# Altium PCB Неудачная разводка ddr.PcbDoc (part 1 of 3) (continued)
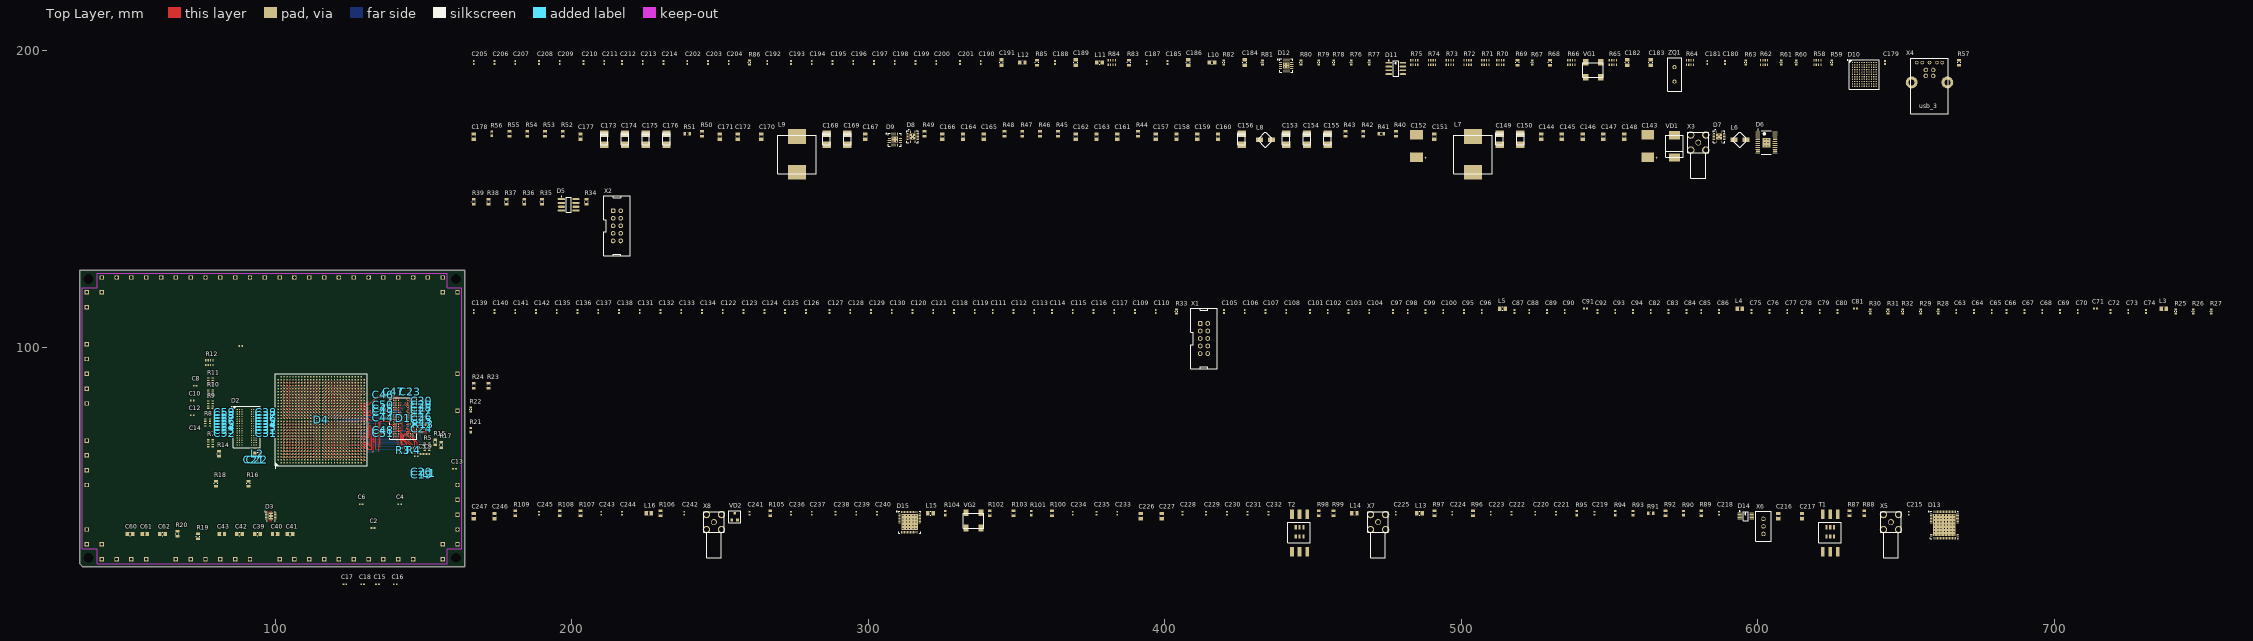
[diagram p0: Top Layer view]
## Classes and differential pairs (continued)
differential pair class ck: D_DDR0_CK D_DDR1_CK
differential pair class dqs: D_DDR0_DQS0 D_DDR0_DQS1 D_DDR1_DQS0 D_DDR1_DQS1
component class as14120_x31_adc: C215 C216 C217 C218 C219 C220 C221 C222 C223 C224 C225 C226 C227 C228 C229 C230 C231 C232 C233 C234 C235 C236 C237 C238 C239 C240 C241 C242 C243 C244 C245 C246 C247 D13 D14 D15 L13 L14 L15 L16 R87 R88 R89 R90 R91 R92 R93 R94 R95 R96 R97 R98 R99 R100 R101 R102 R103 R104 R105 R106 R107 R108 R109 T1 T2 VD2 VG2 X5 X6 X7 X8
component class as14120_x31_ddr: C1 C2 C3 C4 C5 C6 C7 C8 C9 C10 C11 C12 C13 C14 C15 C16 C17 C18 C19 C20 C21 C22 C23 C25 C26 C27 C28 C29 C30 C31 C32 C33 C34 C35 C36 C37 C38 C39 C40 C41 C42 C43 C44 C45 C46 C47 C48 C49 C50 C51 C52 C53 C54 C55 C56 C57 C58 C59 C60 C61 C62 D1 D2 D3 L1 L2 R1 R2 R3 R4 R5 R6 R7 R8 R9 R10 R11 R12 R13 R14 R15 R16 R17 R18 R19 R20
component class as14120_x31_fpga_adc: R21
component class as14120_x31_fpga_cypress: R22
component class as14120_x31_fpga_ddr: R23 R24
component class as14120_x31_fpga_power_conf: C63 C64 C65 C66 C67 C68 C69 C70 C71 C72 C73 C74 C75 C76 C77 C78 C79 C80 C81 C82 C83 C84 C85 C86 C87 C88 C89 C90 C91 C92 C93 C94 C95 C96 C97 C98 C99 C100 C101 C102 C103 C104 C105 C106 C107 C108 C109 C110 C111 C112 C113 C114 C115 C116 C117 C118 C119 C120 C121 C122 C123 C124 C125 C126 C127 C128 C129 C130 C131 C132 C133 C134 C135 C136 C137 C138 C139 C140 C141 C142 L3 L4 L5 R25 R26 R27 R28 R29 R30 R31 R32 R33 X1
component class as14120_x31_fpga_ttl: D4 D5 R34 R35 R36 R37 R38 R39 X2
component class as14120_x31_power: C143 C144 C145 C146 C147 C148 C149 C150 C151 C152 C153 C154 C155 C156 C157 C158 C159 C160 C161 C162 C163 C164 C165 C166 C167 C168 C169 C170 C171 C172 C173 C174 C175 C176 C177 C178 D6 D7 D8 D9 L6 L7 L8 L9 R40 R41 R42 R43 R44 R45 R46 R47 R48 R49 R50 R51 R52 R53 R54 R55 R56 VD1 X3
component class as14120_x31_usb: C179 C180 C181 C182 C183 C184 C185 C186 C187 C188 C189 C190 C191 C192 C193 C194 C195 C196 C197 C198 C199 C200 C201 C202 C203 C204 C205 C206 C207 C208 C209 C210 C211 C212 C213 C214 D10 D11 D12 L10 L11 L12 R57 R58 R59 R60 R61 R62 R63 R64 R65 R66 R67 R68 R69 R70 R71 R72 R73 R74 R75 R76 R77 R78 R79 R80 R81 R82 R83 R84 R85 R86 VG1 X4 ZQ1
net class Power: 0V 0VA 12V V0P75D V1P1D V1P2D V1P5D V1P8A V1P8D V1P8DVDD V2P5D V3P3D VCC_AUX VCCPGM VREF VREFDDR0 VREFDDR1
net class ddr_dq: DDR0_DM0 DDR0_DM1 DDR0_DQ0 DDR0_DQ1 DDR0_DQ2 DDR0_DQ3 DDR0_DQ4 DDR0_DQ5 DDR0_DQ6 DDR0_DQ7 DDR0_DQ8 DDR0_DQ9 DDR0_DQ10 DDR0_DQ11 DDR0_DQ12 DDR0_DQ13 DDR0_DQ14 DDR0_DQ15 DDR0_DQS0_N DDR0_DQS0_P DDR0_DQS1_N DDR0_DQS1_P DDR1_DM0 DDR1_DM1 DDR1_DQ0 DDR1_DQ1 DDR1_DQ2 DDR1_DQ3 DDR1_DQ4 DDR1_DQ5 DDR1_DQ6 DDR1_DQ7 DDR1_DQ8 DDR1_DQ9 DDR1_DQ10 DDR1_DQ11 DDR1_DQ12 DDR1_DQ13 DDR1_DQ14 DDR1_DQ15 DDR1_DQS0_N DDR1_DQS0_P DDR1_DQS1_N DDR1_DQS1_P
net class ddr_ctrl: DDR0_A0 DDR0_A1 DDR0_A2 DDR0_A3 DDR0_A4 DDR0_A5 DDR0_A6 DDR0_A7 DDR0_A8 DDR0_A9 DDR0_A10 DDR0_A11 DDR0_A12 DDR0_A13 DDR0_A14 DDR0_BA0 DDR0_BA1 DDR0_BA2 DDR0_CAS DDR0_CK_N DDR0_CK_P DDR0_CKE DDR0_CS DDR0_ODT DDR0_RAS DDR0_RESET_N DDR0_WE DDR1_A0 DDR1_A1 DDR1_A2 DDR1_A3 DDR1_A4 DDR1_A5 DDR1_A6 DDR1_A7 DDR1_A8 DDR1_A9 DDR1_A10 DDR1_A11 DDR1_A12 DDR1_A13 DDR1_A14 DDR1_A15 DDR1_BA0 DDR1_BA1 DDR1_BA2 DDR1_CAS DDR1_CK_N DDR1_CK_P DDR1_CKE DDR1_CS DDR1_ODT DDR1_RAS DDR1_RESET_N DDR1_WE
differential pair D_USB: +USB_P -USB_N
differential pair D_SS_TX: +SS_TX_P -SS_TX_N
differential pair D_SS_RX: +SS_RX_P -SS_RX_N
differential pair D_DDR1_DQS1: +DDR1_DQS1_P -DDR1_DQS1_N
differential pair D_DDR1_DQS0: +DDR1_DQS0_P -DDR1_DQS0_N
differential pair D_DDR1_CK: +DDR1_CK_P -DDR1_CK_N
differential pair D_DDR0_DQS1: +DDR0_DQS1_P -DDR0_DQS1_N
differential pair D_DDR0_DQS0: +DDR0_DQS0_P -DDR0_DQS0_N
differential pair D_DDR0_CK: +DDR0_CK_P -DDR0_CK_N
differential pair D_ADC_DCO: +ADC_DCO_P -ADC_DCO_N
differential pair D_ADC_D13: +ADC_D13_P -ADC_D13_N
differential pair D_ADC_D12: +ADC_D12_P -ADC_D12_N
differential pair D_ADC_D11: +ADC_D11_P -ADC_D11_N
differential pair D_ADC_D10: +ADC_D10_P -ADC_D10_N
differential pair D_ADC_D9: +ADC_D9_P -ADC_D9_N
differential pair D_ADC_D8: +ADC_D8_P -ADC_D8_N
differential pair D_ADC_D7: +ADC_D7_P -ADC_D7_N
differential pair D_ADC_D6: +ADC_D6_P -ADC_D6_N
differential pair D_ADC_D5: +ADC_D5_P -ADC_D5_N
differential pair D_ADC_D4: +ADC_D4_P -ADC_D4_N
differential pair D_ADC_D3: +ADC_D3_P -ADC_D3_N
differential pair D_ADC_D2: +ADC_D2_P -ADC_D2_N
differential pair D_ADC_D1: +ADC_D1_P -ADC_D1_N
differential pair D_ADC_D0: +ADC_D0_P -ADC_D0_N
differential pair D_ADC_CLK: +ADC_CLK_P -ADC_CLK_N
differential pair SS_RX: +SS_RX_P -SS_RX_N
differential pair SS_TX: +SS_TX_P -SS_TX_N
differential pair USB: +USB_P -USB_N

## Components (designator, comment, footprint, x,y, rotation, side; value= is the part's Value field where it differs from the comment)
C1 "CAP 1uF 10V 0402(1005)" CAPC0402(1005)60_M 156.2,76 r180 bottom
C2 "CAP 1uF 10V 0402(1005)" CAPC0402(1005)60_M 133,39 r0 top
C3 "CAP 1uF 10V 0402(1005)" CAPC0402(1005)60_M 153.9,73.6 r270 bottom
C4 "CAP 1uF 10V 0402(1005)" CAPC0402(1005)60_M 142,47 r0 top
C5 "CAP 1uF 10V 0402(1005)" CAPC0402(1005)60_M 149.5,64 r0 top
C6 "CAP 1uF 10V 0402(1005)" CAPC0402(1005)60_M 129,47 r0 top
C7 "CAP 1uF 10V 0402(1005)" CAPC0402(1005)60_M 147.6,63.2 r180 top
C8 "CAP 1uF 10V 0402(1005)" CAPC0402(1005)60_M 73,87 r0 top
C9 "CAP 1uF 10V 0402(1005)" CAPC0402(1005)60_M 151.5,64 r180 top
C10 "CAP 1uF 10V 0402(1005)" CAPC0402(1005)60_M 72,82 r0 top
C11 "CAP 1uF 10V 0402(1005)" CAPC0402(1005)60_M 154,69.5 r90 bottom
C12 "CAP 1uF 10V 0402(1005)" CAPC0402(1005)60_M 72,77 r0 top
C13 "CAP 1uF 10V 0402(1005)" CAPC0402(1005)60_M 160.5,59 r0 top
C14 "CAP 1uF 10V 0402(1005)" CAPC0402(1005)60_M 88.4,100.4 r0 top
C15 "CAP 1uF 10V 0402(1005)" CAPC0402(1005)60_M 134.5,20 r0 top
C16 "CAP 1uF 10V 0402(1005)" CAPC0402(1005)60_M 140.5,20 r0 top
C17 "CAP 1uF 10V 0402(1005)" CAPC0402(1005)60_M 123.5,20 r0 top
C18 "CAP 1uF 10V 0402(1005)" CAPC0402(1005)60_M 129.5,20 r0 top
C19 "CAP 1uF 10V 0402(1005)" CAPC0402(1005)60_M 149.5,57 r180 top
C20 "CAP 1uF 10V 0402(1005)" CAPC0402(1005)60_M 149.5,58 r180 top
C21 "CAP 1uF 10V 0402(1005)" CAPC0402(1005)60_M 93,62 r90 top
C22 "CAP 1uF 10V 0402(1005)" CAPC0402(1005)60_M 94,62 r90 top
C23 "CAP 1uF 10V 0402(1005)" CAPC0402(1005)60_M 145.5,85 r270 top
C24 "CAP 1uF 10V 0402(1005)" CAPC0402(1005)60_M 149.5,72.5 r180 top
C25 "CAP 1uF 10V 0402(1005)" CAPC0402(1005)60_M 149.5,75.5 r180 top
C26 "CAP 1uF 10V 0402(1005)" CAPC0402(1005)60_M 149.5,76.5 r180 top
C27 "CAP 1uF 10V 0402(1005)" CAPC0402(1005)60_M 149.5,78.5 r180 top
C28 "CAP 1uF 10V 0402(1005)" CAPC0402(1005)60_M 149.5,79.5 r180 top
C29 "CAP 1uF 10V 0402(1005)" CAPC0402(1005)60_M 149.5,80.5 r180 top
C30 "CAP 1uF 10V 0402(1005)" CAPC0402(1005)60_M 149.5,82 r180 top
C31 "CAP 1uF 10V 0402(1005)" CAPC0402(1005)60_M 97,71 r180 top
C32 "CAP 1uF 10V 0402(1005)" CAPC0402(1005)60_M 97,72 r180 top
C33 "CAP 1uF 10V 0402(1005)" CAPC0402(1005)60_M 97,73 r180 top
C34 "CAP 1uF 10V 0402(1005)" CAPC0402(1005)60_M 97,74 r180 top
C35 "CAP 1uF 10V 0402(1005)" CAPC0402(1005)60_M 97,75 r180 top
C36 "CAP 1uF 10V 0402(1005)" CAPC0402(1005)60_M 97,76 r180 top
C37 "CAP 1uF 10V 0402(1005)" CAPC0402(1005)60_M 97,77 r180 top
C38 "CAP 1uF 10V 0402(1005)" CAPC0402(1005)60_M 97,78 r180 top
C39 "CAP_0805" CAPC0805(2012)100_N 94,37 r0 top
C40 "CAP_0805" CAPC0805(2012)100_N 100,37 r0 top
C41 "CAP_0805" CAPC0805(2012)100_N 105,37 r0 top
C42 "CAP_0805" CAPC0805(2012)100_N 88,37 r0 top
C43 "CAP_0805" CAPC0805(2012)100_N 82,37 r0 top
C44 "CAP 1uF 10V 0402(1005)" CAPC0402(1005)60_M 136.5,76.2 r0 top
C45 "CAP 1uF 10V 0402(1005)" CAPC0402(1005)60_M 136.5,79.3 r0 top
C46 "CAP 1uF 10V 0402(1005)" CAPC0402(1005)60_M 136.5,84 r180 top
C47 "CAP 1uF 10V 0402(1005)" CAPC0402(1005)60_M 140,85 r270 top
C48 "CAP 1uF 10V 0402(1005)" CAPC0402(1005)60_M 136.5,72 r0 top
C49 "CAP 1uF 10V 0402(1005)" CAPC0402(1005)60_M 136.5,78 r0 top
C50 "CAP 1uF 10V 0402(1005)" CAPC0402(1005)60_M 136.5,80.5 r0 top
C51 "CAP 1uF 10V 0402(1005)" CAPC0402(1005)60_M 136.5,71 r0 top
C52 "CAP 1uF 10V 0402(1005)" CAPC0402(1005)60_M 83,71 r180 top
C53 "CAP 1uF 10V 0402(1005)" CAPC0402(1005)60_M 83,72 r180 top
C54 "CAP 1uF 10V 0402(1005)" CAPC0402(1005)60_M 83,73 r180 top
C55 "CAP 1uF 10V 0402(1005)" CAPC0402(1005)60_M 83,74 r180 top
C56 "CAP 1uF 10V 0402(1005)" CAPC0402(1005)60_M 83,75 r180 top
C57 "CAP 1uF 10V 0402(1005)" CAPC0402(1005)60_M 83,76 r180 top
C58 "CAP 1uF 10V 0402(1005)" CAPC0402(1005)60_M 83,77 r180 top
C59 "CAP 1uF 10V 0402(1005)" CAPC0402(1005)60_M 83,78 r180 top
C60 "CAP_0805" CAPC0805(2012)100_N 51,37 r0 top
C61 "CAP_0805" CAPC0805(2012)100_N 56,37 r0 top
C62 "CAP_0805" CAPC0805(2012)100_N 62,37 r0 top
C63 "CAP 1uF 10V 0402(1005)" CAPC0402(1005)60_M 667,112 r90 top
C64 "CAP 1uF 10V 0402(1005)" CAPC0402(1005)60_M 673,112 r90 top
C65 "CAP 1uF 10V 0402(1005)" CAPC0402(1005)60_M 679,112 r90 top
C66 "CAP 1uF 10V 0402(1005)" CAPC0402(1005)60_M 684,112 r90 top
C67 "CAP 1uF 10V 0402(1005)" CAPC0402(1005)60_M 690,112 r90 top
C68 "CAP 1uF 10V 0402(1005)" CAPC0402(1005)60_M 696,112 r90 top
C69 "CAP 1uF 10V 0402(1005)" CAPC0402(1005)60_M 702,112 r90 top
C70 "CAP 1uF 10V 0402(1005)" CAPC0402(1005)60_M 708,112 r90 top
C71 "CAP 1uF 10V 0402(1005)" CAPC0402(1005)60_M 714,113 r0 top
C72 "CAP 1uF 10V 0402(1005)" CAPC0402(1005)60_M 719,112 r90 top
C73 "CAP 1uF 10V 0402(1005)" CAPC0402(1005)60_M 725,112 r90 top
C74 "CAP 1uF 10V 0402(1005)" CAPC0402(1005)60_M 731,112 r90 top
C75 "CAP 1uF 10V 0402(1005)" CAPC0402(1005)60_M 598,112 r90 top
C76 "CAP 1uF 10V 0402(1005)" CAPC0402(1005)60_M 604,112 r90 top
C77 "CAP 1uF 10V 0402(1005)" CAPC0402(1005)60_M 610,112 r90 top
C78 "CAP 1uF 10V 0402(1005)" CAPC0402(1005)60_M 615,112 r90 top
C79 "CAP 1uF 10V 0402(1005)" CAPC0402(1005)60_M 621,112 r90 top
C80 "CAP 1uF 10V 0402(1005)" CAPC0402(1005)60_M 627,112 r90 top
C81 "CAP 1uF 10V 0402(1005)" CAPC0402(1005)60_M 633,113 r0 top
C82 "CAP 1uF 10V 0402(1005)" CAPC0402(1005)60_M 564,112 r90 top
C83 "CAP 1uF 10V 0402(1005)" CAPC0402(1005)60_M 570,112 r90 top
C84 "CAP 1uF 10V 0402(1005)" CAPC0402(1005)60_M 576,112 r90 top
C85 "CAP 1uF 10V 0402(1005)" CAPC0402(1005)60_M 581,112 r90 top
C86 "CAP 1uF 10V 0402(1005)" CAPC0402(1005)60_M 587,112 r90 top
C87 "CAP 1uF 10V 0402(1005)" CAPC0402(1005)60_M 518,112 r90 top
C88 "CAP 1uF 10V 0402(1005)" CAPC0402(1005)60_M 523,112 r90 top
C89 "CAP 1uF 10V 0402(1005)" CAPC0402(1005)60_M 529,112 r90 top
C90 "CAP 1uF 10V 0402(1005)" CAPC0402(1005)60_M 535,112 r90 top
C91 "CAP 1uF 10V 0402(1005)" CAPC0402(1005)60_M 542,113 r0 top
C92 "CAP 1uF 10V 0402(1005)" CAPC0402(1005)60_M 546,112 r90 top
C93 "CAP 1uF 10V 0402(1005)" CAPC0402(1005)60_M 552,112 r90 top
C94 "CAP 1uF 10V 0402(1005)" CAPC0402(1005)60_M 558,112 r90 top
C95 "CAP 1uF 10V 0402(1005)" CAPC0402(1005)60_M 501,112 r90 top
C96 "CAP 1uF 10V 0402(1005)" CAPC0402(1005)60_M 507,112 r90 top
C97 "CAP 1uF 10V 0402(1005)" CAPC0402(1005)60_M 477,112 r90 top
C98 "CAP 1uF 10V 0402(1005)" CAPC0402(1005)60_M 482,112 r90 top
C99 "CAP 1uF 10V 0402(1005)" CAPC0402(1005)60_M 488,112 r90 top
C100 "CAP 1uF 10V 0402(1005)" CAPC0402(1005)60_M 494,112 r90 top
C101 "CAP 1uF 10V 0402(1005)" CAPC0402(1005)60_M 449,112 r90 top
C102 "CAP 1uF 10V 0402(1005)" CAPC0402(1005)60_M 455,112 r90 top
C103 "CAP 1uF 10V 0402(1005)" CAPC0402(1005)60_M 462,112 r90 top
C104 "CAP 1uF 10V 0402(1005)" CAPC0402(1005)60_M 469,112 r90 top
C105 "CAP 1uF 10V 0402(1005)" CAPC0402(1005)60_M 420,112 r90 top
C106 "CAP 1uF 10V 0402(1005)" CAPC0402(1005)60_M 427,112 r90 top
C107 "CAP 1uF 10V 0402(1005)" CAPC0402(1005)60_M 434,112 r90 top
C108 "CAP 1uF 10V 0402(1005)" CAPC0402(1005)60_M 441,112 r90 top
C109 "CAP 1uF 10V 0402(1005)" CAPC0402(1005)60_M 390,112 r90 top
C110 "CAP 1uF 10V 0402(1005)" CAPC0402(1005)60_M 397,112 r90 top
C111 "CAP 1uF 10V 0402(1005)" CAPC0402(1005)60_M 342,112 r90 top
C112 "CAP 1uF 10V 0402(1005)" CAPC0402(1005)60_M 349,112 r90 top
C113 "CAP 1uF 10V 0402(1005)" CAPC0402(1005)60_M 356,112 r90 top
C114 "CAP 1uF 10V 0402(1005)" CAPC0402(1005)60_M 362,112 r90 top
C115 "CAP 1uF 10V 0402(1005)" CAPC0402(1005)60_M 369,112 r90 top
C116 "CAP 1uF 10V 0402(1005)" CAPC0402(1005)60_M 376,112 r90 top
C117 "CAP 1uF 10V 0402(1005)" CAPC0402(1005)60_M 383,112 r90 top
C118 "CAP 1uF 10V 0402(1005)" CAPC0402(1005)60_M 329,112 r90 top
C119 "CAP 1uF 10V 0402(1005)" CAPC0402(1005)60_M 336,112 r90 top
C120 "CAP 1uF 10V 0402(1005)" CAPC0402(1005)60_M 315,112 r90 top
C121 "CAP 1uF 10V 0402(1005)" CAPC0402(1005)60_M 322,112 r90 top
C122 "CAP 1uF 10V 0402(1005)" CAPC0402(1005)60_M 251,112 r90 top
C123 "CAP 1uF 10V 0402(1005)" CAPC0402(1005)60_M 258,112 r90 top
C124 "CAP 1uF 10V 0402(1005)" CAPC0402(1005)60_M 265,112 r90 top
C125 "CAP 1uF 10V 0402(1005)" CAPC0402(1005)60_M 272,112 r90 top
C126 "CAP 1uF 10V 0402(1005)" CAPC0402(1005)60_M 279,112 r90 top
C127 "CAP 1uF 10V 0402(1005)" CAPC0402(1005)60_M 287,112 r90 top
C128 "CAP 1uF 10V 0402(1005)" CAPC0402(1005)60_M 294,112 r90 top
C129 "CAP 1uF 10V 0402(1005)" CAPC0402(1005)60_M 301,112 r90 top
C130 "CAP 1uF 10V 0402(1005)" CAPC0402(1005)60_M 308,112 r90 top
C131 "CAP 1uF 10V 0402(1005)" CAPC0402(1005)60_M 223,112 r90 top
C132 "CAP 1uF 10V 0402(1005)" CAPC0402(1005)60_M 230,112 r90 top
C133 "CAP 1uF 10V 0402(1005)" CAPC0402(1005)60_M 237,112 r90 top
C134 "CAP 1uF 10V 0402(1005)" CAPC0402(1005)60_M 244,112 r90 top
C135 "CAP 1uF 10V 0402(1005)" CAPC0402(1005)60_M 195,112 r90 top
C136 "CAP 1uF 10V 0402(1005)" CAPC0402(1005)60_M 202,112 r90 top
C137 "CAP 1uF 10V 0402(1005)" CAPC0402(1005)60_M 209,112 r90 top
C138 "CAP 1uF 10V 0402(1005)" CAPC0402(1005)60_M 216,112 r90 top
C139 "CAP 1uF 10V 0402(1005)" CAPC0402(1005)60_M 167,112 r90 top
C140 "CAP 1uF 10V 0402(1005)" CAPC0402(1005)60_M 174,112 r90 top
C141 "CAP 1uF 10V 0402(1005)" CAPC0402(1005)60_M 181,112 r90 top
C142 "CAP 1uF 10V 0402(1005)" CAPC0402(1005)60_M 188,112 r90 top
C143 "AVX_D" AVX_D 563,164 r90 top
C144 "CAP_0805" CAPC0805(2012)100_N 527,171 r90 top
C145 "CAP_0805" CAPC0805(2012)100_N 534,171 r90 top
C146 "CAP_0805" CAPC0805(2012)100_N 541,171 r90 top
C147 "CAP_0805" CAPC0805(2012)100_N 548,171 r90 top
C148 "CAP_0805" CAPC0805(2012)100_N 555,171 r90 top
C149 "avx_b" avx_b 513,168 r90 top
C150 "avx_b" avx_b 520,168 r90 top
C151 "CAP_0805" CAPC0805(2012)100_N 491,171 r90 top
C152 "AVX_D" AVX_D 485,164 r90 top
C153 "avx_b" avx_b 441,168 r90 top
C154 "avx_b" avx_b 448,168 r90 top
C155 "avx_b" avx_b 455,168 r90 top
C156 "avx_b" avx_b 426,168 r90 top
C157 "CAP_0805" CAPC0805(2012)100_N 397,171 r90 top
C158 "CAP_0805" CAPC0805(2012)100_N 404,171 r90 top
C159 "CAP_0805" CAPC0805(2012)100_N 411,171 r90 top
C160 "CAP_0805" CAPC0805(2012)100_N 418,171 r90 top
C161 "CAP_0805" CAPC0805(2012)100_N 384,171 r90 top
C162 "CAP_0805" CAPC0805(2012)100_N 370,171 r90 top
C163 "CAP_0805" CAPC0805(2012)100_N 377,171 r90 top
C164 "CAP_0805" CAPC0805(2012)100_N 332,171 r90 top
C165 "CAP_0805" CAPC0805(2012)100_N 339,171 r90 top
C166 "CAP_0805" CAPC0805(2012)100_N 325,171 r90 top
C167 "CAP_0805" CAPC0805(2012)100_N 299,171 r90 top
C168 "avx_b" avx_b 286,168 r90 top
C169 "avx_b" avx_b 293,168 r90 top
C170 "CAP_0805" CAPC0805(2012)100_N 264,171 r90 top
C171 "CAP_0805" CAPC0805(2012)100_N 250,171 r90 top
C172 "CAP_0805" CAPC0805(2012)100_N 256,171 r90 top
C173 "avx_b" avx_b 211,168 r90 top
C174 "avx_b" avx_b 218,168 r90 top
C175 "avx_b" avx_b 225,168 r90 top
C176 "avx_b" avx_b 232,168 r90 top
C177 "CAP_0805" CAPC0805(2012)100_N 203,171 r90 top
C178 "CAP_0805" CAPC0805(2012)100_N 167,171 r90 top
C179 "CAP 1uF 10V 0402(1005)" CAPC0402(1005)60_M 643,196 r90 top
C180 "CAP 1uF 10V 0402(1005)" CAPC0402(1005)60_M 589,196 r90 top
C181 "CAP 1uF 10V 0402(1005)" CAPC0402(1005)60_M 583,196 r90 top
C182 "CAP_0805" CAPC0805(2012)100_N 556,196 r90 top
C183 "CAP_0805" CAPC0805(2012)100_N 564,196 r90 top
C184 "CAP_0805" CAPC0805(2012)100_N 427,196 r90 top
C185 "CAP 1uF 10V 0402(1005)" CAPC0402(1005)60_M 401,196 r90 top
C186 "CAP_0805" CAPC0805(2012)100_N 408,196 r90 top
C187 "CAP 1uF 10V 0402(1005)" CAPC0402(1005)60_M 394,196 r90 top
C188 "CAP 1uF 10V 0402(1005)" CAPC0402(1005)60_M 363,196 r90 top
C189 "CAP_0805" CAPC0805(2012)100_N 370,196 r90 top
C190 "CAP 1uF 10V 0402(1005)" CAPC0402(1005)60_M 338,196 r90 top
C191 "CAP_0805" CAPC0805(2012)100_N 345,196 r90 top
C192 "CAP 1uF 10V 0402(1005)" CAPC0402(1005)60_M 266,196 r90 top
C193 "CAP 1uF 10V 0402(1005)" CAPC0402(1005)60_M 274,196 r90 top
C194 "CAP 1uF 10V 0402(1005)" CAPC0402(1005)60_M 281,196 r90 top
C195 "CAP 1uF 10V 0402(1005)" CAPC0402(1005)60_M 288,196 r90 top
C196 "CAP 1uF 10V 0402(1005)" CAPC0402(1005)60_M 295,196 r90 top
C197 "CAP 1uF 10V 0402(1005)" CAPC0402(1005)60_M 302,196 r90 top
C198 "CAP 1uF 10V 0402(1005)" CAPC0402(1005)60_M 309,196 r90 top
C199 "CAP 1uF 10V 0402(1005)" CAPC0402(1005)60_M 316,196 r90 top
C200 "CAP 1uF 10V 0402(1005)" CAPC0402(1005)60_M 323,196 r90 top
C201 "CAP 1uF 10V 0402(1005)" CAPC0402(1005)60_M 331,196 r90 top
C202 "CAP 1uF 10V 0402(1005)" CAPC0402(1005)60_M 239,196 r90 top
C203 "CAP 1uF 10V 0402(1005)" CAPC0402(1005)60_M 246,196 r90 top
C204 "CAP 1uF 10V 0402(1005)" CAPC0402(1005)60_M 253,196 r90 top
C205 "CAP 1uF 10V 0402(1005)" CAPC0402(1005)60_M 167,196 r90 top
C206 "CAP 1uF 10V 0402(1005)" CAPC0402(1005)60_M 174,196 r90 top
C207 "CAP 1uF 10V 0402(1005)" CAPC0402(1005)60_M 181,196 r90 top
C208 "CAP 1uF 10V 0402(1005)" CAPC0402(1005)60_M 189,196 r90 top
C209 "CAP 1uF 10V 0402(1005)" CAPC0402(1005)60_M 196,196 r90 top
C210 "CAP 1uF 10V 0402(1005)" CAPC0402(1005)60_M 204,196 r90 top
C211 "CAP 1uF 10V 0402(1005)" CAPC0402(1005)60_M 211,196 r90 top
C212 "CAP 1uF 10V 0402(1005)" CAPC0402(1005)60_M 217,196 r90 top
C213 "CAP 1uF 10V 0402(1005)" CAPC0402(1005)60_M 224,196 r90 top
C214 "CAP 1uF 10V 0402(1005)" CAPC0402(1005)60_M 231,196 r90 top
C215 "CAP 1uF 10V 0402(1005)" CAPC0402(1005)60_M 651,44 r90 top
C216 "CAP_0805" CAPC0805(2012)100_N 607,43 r90 top
C217 "CAP_0805" CAPC0805(2012)100_N 615,43 r90 top
C218 "CAP 1uF 10V 0402(1005)" CAPC0402(1005)60_M 587,44 r90 top
C219 "CAP 1uF 10V 0402(1005)" CAPC0402(1005)60_M 545,44 r90 top
C220 "CAP 1uF 10V 0402(1005)" CAPC0402(1005)60_M 525,44 r90 top
C221 "CAP 1uF 10V 0402(1005)" CAPC0402(1005)60_M 532,44 r90 top
C222 "CAP 1uF 10V 0402(1005)" CAPC0402(1005)60_M 517,44 r90 top
C223 "CAP 1uF 10V 0402(1005)" CAPC0402(1005)60_M 510,44 r90 top
C224 "CAP 1uF 10V 0402(1005)" CAPC0402(1005)60_M 497,44 r90 top
C225 "CAP 1uF 10V 0402(1005)" CAPC0402(1005)60_M 478,44 r90 top
C226 "CAP_0805" CAPC0805(2012)100_N 392,43 r90 top
C227 "CAP_0805" CAPC0805(2012)100_N 399,43 r90 top
C228 "CAP 1uF 10V 0402(1005)" CAPC0402(1005)60_M 406,44 r90 top
C229 "CAP 1uF 10V 0402(1005)" CAPC0402(1005)60_M 414,44 r90 top
C230 "CAP 1uF 10V 0402(1005)" CAPC0402(1005)60_M 421,44 r90 top
C231 "CAP 1uF 10V 0402(1005)" CAPC0402(1005)60_M 428,44 r90 top
C232 "CAP 1uF 10V 0402(1005)" CAPC0402(1005)60_M 435,44 r90 top
C233 "CAP 1uF 10V 0402(1005)" CAPC0402(1005)60_M 384,44 r90 top
C234 "CAP 1uF 10V 0402(1005)" CAPC0402(1005)60_M 369,44 r90 top
C235 "CAP 1uF 10V 0402(1005)" CAPC0402(1005)60_M 377,44 r90 top
C236 "CAP 1uF 10V 0402(1005)" CAPC0402(1005)60_M 274,44 r90 top
C237 "CAP 1uF 10V 0402(1005)" CAPC0402(1005)60_M 281,44 r90 top
C238 "CAP 1uF 10V 0402(1005)" CAPC0402(1005)60_M 289,44 r90 top
C239 "CAP 1uF 10V 0402(1005)" CAPC0402(1005)60_M 296,44 r90 top
C240 "CAP 1uF 10V 0402(1005)" CAPC0402(1005)60_M 303,44 r90 top
C241 "CAP 1uF 10V 0402(1005)" CAPC0402(1005)60_M 260,44 r90 top
C242 "CAP 1uF 10V 0402(1005)" CAPC0402(1005)60_M 238,44 r90 top
C243 "CAP 1uF 10V 0402(1005)" CAPC0402(1005)60_M 210,44 r90 top
C244 "CAP 1uF 10V 0402(1005)" CAPC0402(1005)60_M 217,44 r90 top
C245 "CAP 1uF 10V 0402(1005)" CAPC0402(1005)60_M 189,44 r90 top
C246 "CAP_0805" CAPC0805(2012)100_N 174,43 r90 top
C247 "CAP_0805" CAPC0805(2012)100_N 167,43 r90 top
D1 "MT41J256M16HA-125" MICT-HA-96 143.2,76 r0 top
D2 "MT41J256M16HA-125" MICT-HA-96 90.4,73 r0 top
D3 "TPS51200DRCT" TI-DRC10-2400X1650TP_V 98.525,43 r0 top
D4 "5CEFA7F31C8N" ALTR-896-FBGA-2000A 115.5,75.5 r90 top
D5 "SN65HVD78" 8S1_M 199,148 r0 top
D6 "LTC3615EFE#PBF" LT-FE-24-EPV-AA_N 603,169 r0 top
D7 "TPS54620RGYR" RGY14-2050X2050TP 587,171 r0 top
D8 "TPS54620RGYR" RGY14-2050X2050TP 315,171 r0 top
D9 "ADP1741" CP-16-4_N 309,170 r0 top
D10 "CYUSB3014" BGA121C80P11X11 636,192 r0 top
D11 "AT24C64(soic)" 8S1_N 478,194 r0 top
D12 "ADP1741" CP-16-4_N 441,195 r0 top
D13 "AD9640ABCPZ-125" CP-64-6_N 663,40 r0 top
D14 "AD5322ARM" RM-10_L 596,43 r0 top
D15 "AD9517-4ABCPZ" ADI-CP-48-8_L 314,41 r0 top
L1 "BLM21PG300SN1D" CAPC0805(2012)100_N 152,57.4 r90 top
L2 "BLM21PG300SN1D" CAPC0805(2012)100_N 94,64 r0 top
L3 "BLM21PG300SN1D" CAPC0805(2012)100_N 737,113 r0 top
L4 "BLM21PG300SN1D" CAPC0805(2012)100_N 594,113 r0 top
L5 "BLM21PG300SN1D" CAPC0805(2012)100_N 514,113 r0 top
L6 "IND_Sumida_CDRH3D16" IND_Sumida_CDRH3D16 594,170 r0 top
L7 "ind_cdr127_sumida" IND_CDR127_Sumida 504,165 r0 top
L8 "IND_Sumida_CDRH3D16" IND_Sumida_CDRH3D16 434,170 r0 top
L9 "ind_cdr127_sumida" IND_CDR127_Sumida 276,165 r0 top
L10 "BLM21PG300SN1D" CAPC0805(2012)100_N 416,196 r0 top
L11 "BLM21PG300SN1D" CAPC0805(2012)100_N 378,196 r0 top
L12 "BLM21PG300SN1D" CAPC0805(2012)100_N 352,196 r0 top
L13 "BLM21PG300SN1D" CAPC0805(2012)100_N 486,44 r0 top
L14 "BLM21PG300SN1D" CAPC0805(2012)100_N 464,44 r0 top
L15 "BLM21PG300SN1D" CAPC0805(2012)100_N 321,44 r0 top
L16 "BLM21PG300SN1D" CAPC0805(2012)100_N 226,44 r0 top
R1 "RES_CAY16" CAY16 152.7,78.6 r90 bottom
R2 "RES_CAY16" CAY16 152.9,77.3 r270 bottom
R3 "RES_CAY16" CAY16 142,65.2 r0 top
R4 "RES_CAY16" CAY16 145.6,65.3 r0 top
R5 "RES_CAY16" CAY16 151.2,65.2 r90 top
R6 "RES_CAY16" CAY16 151.2,68 r90 bottom
R7 "RES_CAY16" CAY16 78.2,66.4 r90 top
R8 "RES_CAY16" CAY16 77.2,73.4 r90 top
R9 "RES_CAY16" CAY16 78.2,79.4 r90 top
R10 "RES_CAY16" CAY16 78.2,83.2 r90 top
R11 "RES_CAY16" CAY16 78.2,87.2 r90 top
R12 "RES_CAY16" CAY16 76.6,94.8 r0 top
R13 "1K 1% 0805(2012)" RESC0805(2012)_L 149.9,74 r0 top
R14 "1K 1% 0805(2012)" RESC0805(2012)_L 81,64 r90 top
R15 "1K 1% 0805(2012)" RESC0805(2012)_L 154,68 r90 top
R16 "1K 1% 0805(2012)" RESC0805(2012)_L 91,54 r90 top
R17 "1K 1% 0805(2012)" RESC0805(2012)_L 156,67 r90 top
R18 "1K 1% 0805(2012)" RESC0805(2012)_L 80,54 r90 top
R19 "1K 1% 0805(2012)" RESC0805(2012)_L 74,36.15 r90 top
R20 "1K 1% 0805(2012)" RESC0805(2012)_L 67,37 r90 top
R21 "240" RESC0603(1608)_L 166,72 r90 top
R22 "240" RESC0603(1608)_L 166,79 r90 top
R23 "1K 1% 0805(2012)" RESC0805(2012)_L 172,87 r90 top
R24 "1K 1% 0805(2012)" RESC0805(2012)_L 167,87 r90 top
R25 "1K 5% 0603(1608)" RESC0603(1608)_L 741,112 r90 top
R26 "1K 5% 0603(1608)" RESC0603(1608)_L 747,112 r90 top
R27 "1K 5% 0603(1608)" RESC0603(1608)_L 753,112 r90 top
R28 "1K 5% 0603(1608)" RESC0603(1608)_L 661,112 r90 top
R29 "1K 5% 0603(1608)" RESC0603(1608)_L 655,112 r90 top
R30 "1K 5% 0603(1608)" RESC0603(1608)_L 638,112 r90 top
R31 "1K 5% 0603(1608)" RESC0603(1608)_L 644,112 r90 top
R32 "1K 5% 0603(1608)" RESC0603(1608)_L 649,112 r90 top
R33 "1K 5% 0603(1608)" RESC0603(1608)_L 404,112 r90 top
R34 "1K 1% 0805(2012)" RESC0805(2012)_L 205,149 r90 top
R35 "1K 1% 0805(2012)" RESC0805(2012)_L 190,149 r90 top
R36 "1K 1% 0805(2012)" RESC0805(2012)_L 184,149 r90 top
R37 "1K 1% 0805(2012)" RESC0805(2012)_L 178,149 r90 top
R38 "1K 1% 0805(2012)" RESC0805(2012)_L 172,149 r90 top
R39 "1K 1% 0805(2012)" RESC0805(2012)_L 167,149 r90 top
R40 "1K 1% 0805(2012)" RESC0805(2012)_L 478,172 r90 top
R41 "1K 1% 0805(2012)" RESC0805(2012)_L 473,172 r0 top
R42 "1K 1% 0805(2012)" RESC0805(2012)_L 467,172 r90 top
R43 "1K 1% 0805(2012)" RESC0805(2012)_L 461,172 r90 top
R44 "1K 1% 0805(2012)" RESC0805(2012)_L 391,172 r90 top
R45 "1K 1% 0805(2012)" RESC0805(2012)_L 364,172 r90 top
R46 "1K 1% 0805(2012)" RESC0805(2012)_L 358,172 r90 top
R47 "1K 1% 0805(2012)" RESC0805(2012)_L 352,172 r90 top
R48 "1K 1% 0805(2012)" RESC0805(2012)_L 346,172 r90 top
R49 "1K 1% 0805(2012)" RESC0805(2012)_L 319,172 r90 top
R50 "1K 1% 0805(2012)" RESC0805(2012)_L 244,172 r90 top
R51 "1K 1% 0805(2012)" RESC0805(2012)_L 239,172 r0 top
R52 "1K 1% 0805(2012)" RESC0805(2012)_L 197,172 r90 top
R53 "1K 1% 0805(2012)" RESC0805(2012)_L 191,172 r90 top
R54 "1K 1% 0805(2012)" RESC0805(2012)_L 185,172 r90 top
R55 "1K 1% 0805(2012)" RESC0805(2012)_L 179,172 r90 top
R56 "1K 5% 0603(1608)" RESC0603(1608)_L 173,172 r90 top
R57 "1K 1% 0805(2012)" RESC0805(2012)_L 668,196 r90 top
R58 "RES_CAY16" CAY16 619,196 r0 top
R59 "1K 5% 0603(1608)" RESC0603(1608)_L 625,196 r90 top
R60 "???" RESC0603(1608)_L 613,196 r90 top
R61 "1K 5% 0603(1608)" RESC0603(1608)_L 608,196 r90 top
R62 "RES_CAY16" CAY16 601,196 r0 top
R63 "1K 5% 0603(1608)" RESC0603(1608)_L 596,196 r90 top
R64 "RES_CAY16" CAY16 576,196 r0 top
R65 "RES_CAY16" CAY16 550,196 r0 top
R66 "RES_CAY16" CAY16 536,196 r0 top
R67 "1K 5% 0603(1608)" RESC0603(1608)_L 524,196 r90 top
R68 "1K 1% 0805(2012)" RESC0805(2012)_L 530,196 r90 top
R69 "1K 1% 0805(2012)" RESC0805(2012)_L 519,196 r90 top
R70 "RES_CAY16" CAY16 512,196 r0 top
R71 "RES_CAY16" CAY16 507,196 r0 top
R72 "RES_CAY16" CAY16 501,196 r0 top
R73 "RES_CAY16" CAY16 495,196 r0 top
R74 "RES_CAY16" CAY16 489,196 r0 top
R75 "RES_CAY16" CAY16 483,196 r0 top
R76 "1K 5% 0603(1608)" RESC0603(1608)_L 463,196 r90 top
R77 "1K 5% 0603(1608)" RESC0603(1608)_L 469,196 r90 top
R78 "1K 5% 0603(1608)" RESC0603(1608)_L 457,196 r90 top
R79 "1K 5% 0603(1608)" RESC0603(1608)_L 452,196 r90 top
R80 "1K 5% 0603(1608)" RESC0603(1608)_L 446,196 r90 top
R81 "1K 5% 0603(1608)" RESC0603(1608)_L 433,196 r90 top
R82 "1K 5% 0603(1608)" RESC0603(1608)_L 420,196 r90 top
R83 "1K 1% 0805(2012)" RESC0805(2012)_L 388,196 r90 top
R84 "RES_CAY16" CAY16 381,196 r0 top
R85 "1K 1% 0805(2012)" RESC0805(2012)_L 357,196 r90 top
R86 "1K 5% 0603(1608)" RESC0603(1608)_L 260,196 r90 top
R87 "1K 1% 0805(2012)" RESC0805(2012)_L 631,44 r90 top
R88 "1K 1% 0805(2012)" RESC0805(2012)_L 636,44 r90 top
R89 "1K 1% 0805(2012)" RESC0805(2012)_L 581,44 r90 top
R90 "1K 5% 0603(1608)" RESC0603(1608)_L 575,44 r90 top
R91 "1K 1% 0805(2012)" RESC0805(2012)_L 564,44 r0 top
R92 "1K 1% 0805(2012)" RESC0805(2012)_L 569,44 r90 top
R93 "1k" RESC0603(1608)_L 558,44 r90 top
R94 "1k" RESC0603(1608)_L 552,44 r90 top
R95 "1K 5% 0603(1608)" RESC0603(1608)_L 539,44 r90 top
R96 "100" RESC0805(2012)_L 504,44 r90 top
R97 "10k 1%" RESC0805(2012)_L 491,44 r90 top
R98 "1K 1% 0805(2012)" RESC0805(2012)_L 452,44 r90 top
R99 "1K 1% 0805(2012)" RESC0805(2012)_L 457,44 r90 top
R100 "1K 1% 0805(2012)" RESC0805(2012)_L 362,44 r90 top
R101 "000" RESC0603(1608)_L 355,44 r90 top
R102 "1K 1% 0805(2012)" RESC0805(2012)_L 341,44 r90 top
R103 "1K 1% 0805(2012)" RESC0805(2012)_L 349,44 r90 top
R104 "1K 5% 0603(1608)" RESC0603(1608)_L 326,44 r90 top
R105 "1K 1% 0805(2012)" RESC0805(2012)_L 267,44 r90 top
R106 "1K 1% 0805(2012)" RESC0805(2012)_L 230,44 r90 top
R107 "1K 1% 0805(2012)" RESC0805(2012)_L 203,44 r90 top
R108 "1K 1% 0805(2012)" RESC0805(2012)_L 196,44 r90 top
R109 "1K 1% 0805(2012)" RESC0805(2012)_L 181,44 r90 top
T1 "TT1-6" TT!-6-KK81 622,31 r0 top
T2 "TT1-6" TT!-6-KK81 443,31 r0 top
VD1 "30BQ60" SMC 572,168 r90 top
VD2 "BAV99" SO-G3/X.9 255,44 r0 top
VG1 "kxo-v97" kxo-v97 542,191 r0 top
VG2 "kxo-v97" kxo-v97 333,39 r0 top
X1 "IDC10" IDC10M 412,108 r90 top
X2 "IDC10" IDC10M 214,146 r90 top
X3 "sma" sma 580,169 r90 top
X4 "USB_3_B" USB3_B 658,196 r0 top
X5 "sma" sma 645,41 r90 top
X6 "HU-3" HU-3 602,37 r90 top
X7 "sma" sma 472,41 r90 top
X8 "sma" sma 248,41 r90 top
ZQ1 "Resonator" BCY-W2/E4.7 572,192 r90 top

## Footprints (in the part's own frame and the unit in brackets; to place one, negate y for a bottom-side part, rotate by r counter-clockwise, add the part's x,y. Pads: shape width x height; smd on the part's side, far side on the other; paste and mask are expansions set on the pad)
8S1_M [mm] "SOIC, 8-Leads, Body 4.9x3.9mm, Pitch 1.27mm, IPC Low Density"
  oval 2.5x0.7 smd: 1(-2.45,1.905) 2(-2.45,0.635) 3(-2.45,-0.635) 4(-2.45,-1.905) 5(2.45,-1.905) 6(2.45,-0.635) 7(2.45,0.635) 8(2.45,1.905)
  silkscreen extent -2.57,-2.55 0.8,2.93, body extent -1.99,-2.52 1.99,2.52, height 1.75
8S1_N [mm] "SOIC, 8-Leads, Body 4.9x3.9mm, Pitch 1.27mm, IPC Medium Density"
  oval 2.2x0.6 smd: 1(-2.4,1.905) 2(-2.4,0.635) 3(-2.4,-0.635) 4(-2.4,-1.905) 5(2.4,-1.905) 6(2.4,-0.635) 7(2.4,0.635) 8(2.4,1.905)
  silkscreen extent -2.52,-2.55 0.9,2.88, body extent -1.99,-2.52 1.99,2.52, height 1.75
ADI-CP-48-8_L [mm] "QFN, 48-Leads, Body 7x7mm, Pitch 0.5mm, Thermal Pad 5.5x5.5mm, IPC High Density"
  oval 0.8x0.25 smd: 1(-3.4,2.75) 2(-3.4,2.25) 3(-3.4,1.75) 4(-3.4,1.25) 5(-3.4,0.75) 6(-3.4,0.25) 7(-3.4,-0.25) 8(-3.4,-0.75) 9(-3.4,-1.25) 10(-3.4,-1.75) 11(-3.4,-2.25) 12(-3.4,-2.75) 25(3.4,-2.75) 26(3.4,-2.25) 27(3.4,-1.75) 28(3.4,-1.25) 29(3.4,-0.75) 30(3.4,-0.25) 31(3.4,0.25) 32(3.4,0.75) 33(3.4,1.25) 34(3.4,1.75) 35(3.4,2.25) 36(3.4,2.75)
  oval 0.25x0.8 smd: 13(-2.75,-3.4) 14(-2.25,-3.4) 15(-1.75,-3.4) 16(-1.25,-3.4) 17(-0.75,-3.4) 18(-0.25,-3.4) 19(0.25,-3.4) 20(0.75,-3.4) 21(1.25,-3.4) 22(1.75,-3.4) 23(2.25,-3.4) 24(2.75,-3.4) 37(2.75,3.4) 38(2.25,3.4) 39(1.75,3.4) 40(1.25,3.4) 41(0.75,3.4) 42(0.25,3.4) 43(-0.25,3.4) 44(-0.75,3.4) 45(-1.25,3.4) 46(-1.75,3.4) 47(-2.25,3.4) 48(-2.75,3.4)
  rect 5.5x5.5 smd: 49(0,0)
  silkscreen extent -4.47,-3.7 3.7,3.7, body extent -3.55,-3.55 3.55,3.55, height 1